# Altium PCB cyber60-1.PcbDoc (part 1 of 3)
Units mm, origin at the board's own origin, x right, y up, seen from the top; angles counter-clockwise.
Board outline 284.81 x 94.32 mm, 2 copper layers (Component Side, Bottom Layer), stack 1.571 mm thick; 172 components, 106 nets, 782 pads, 223 vias.
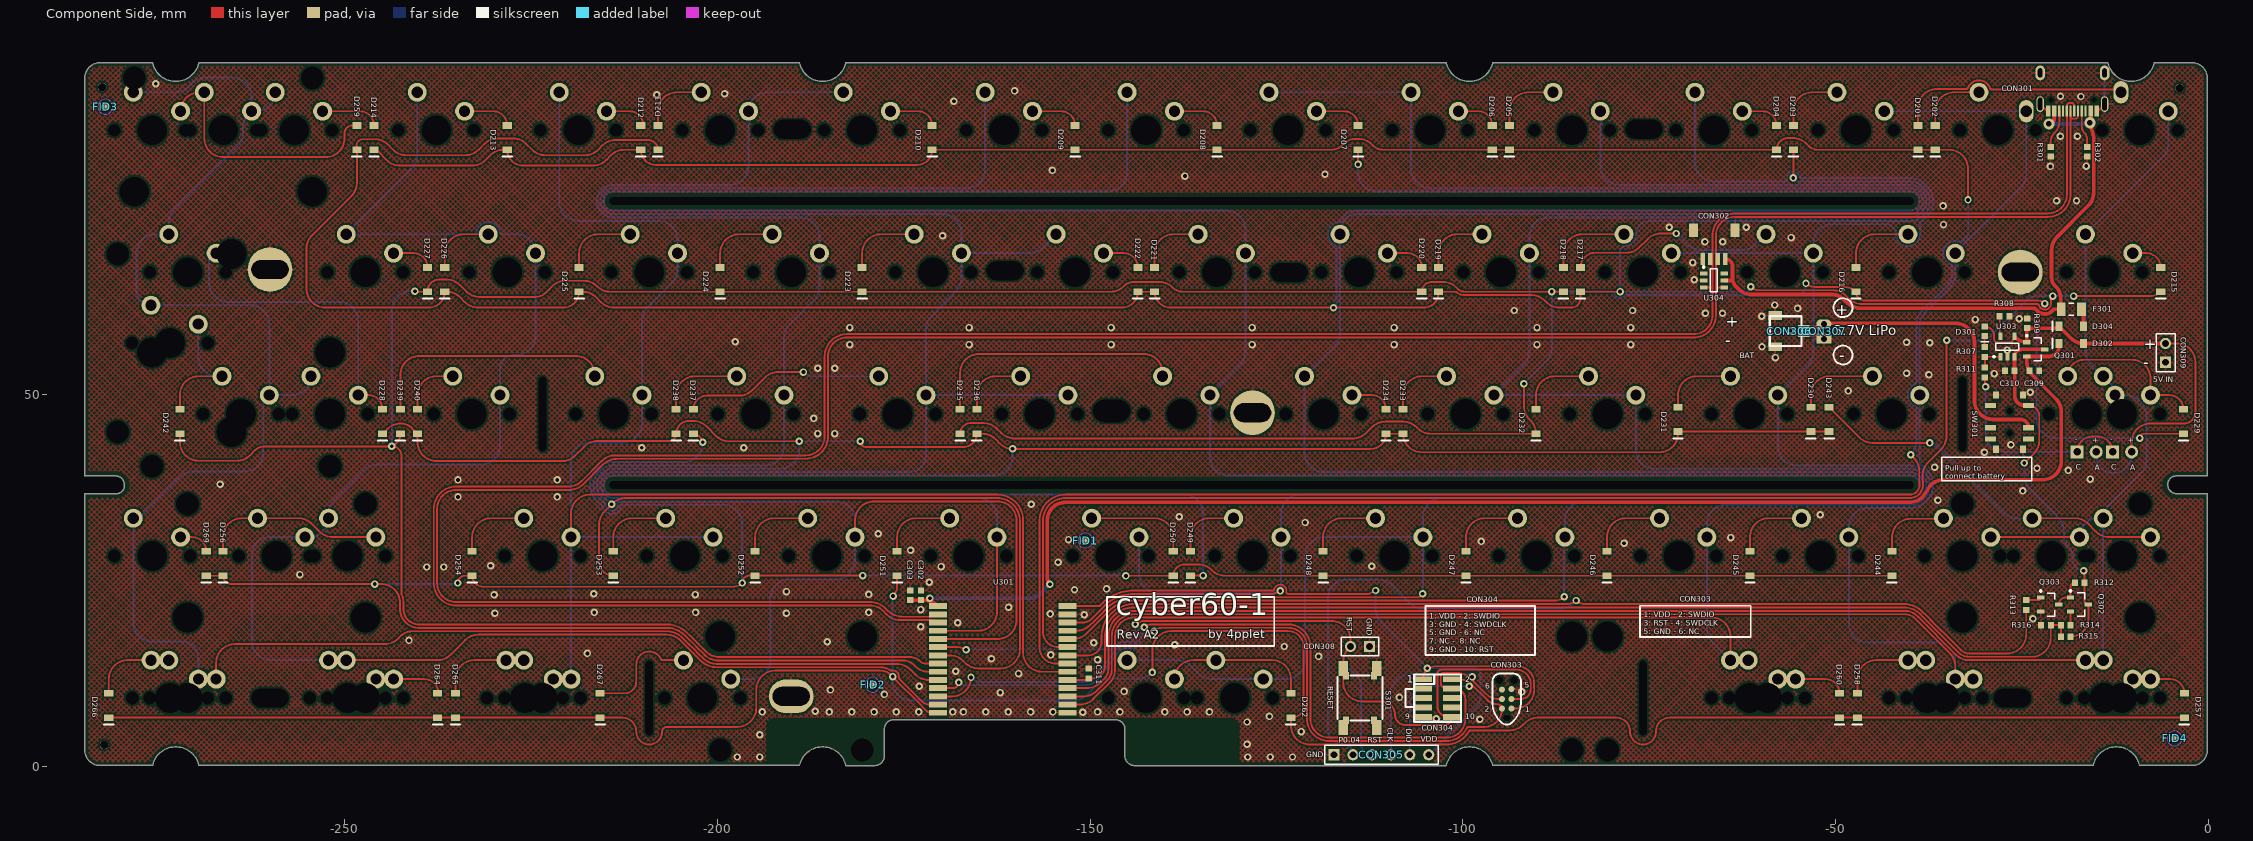
[diagram p0: Component Side view]
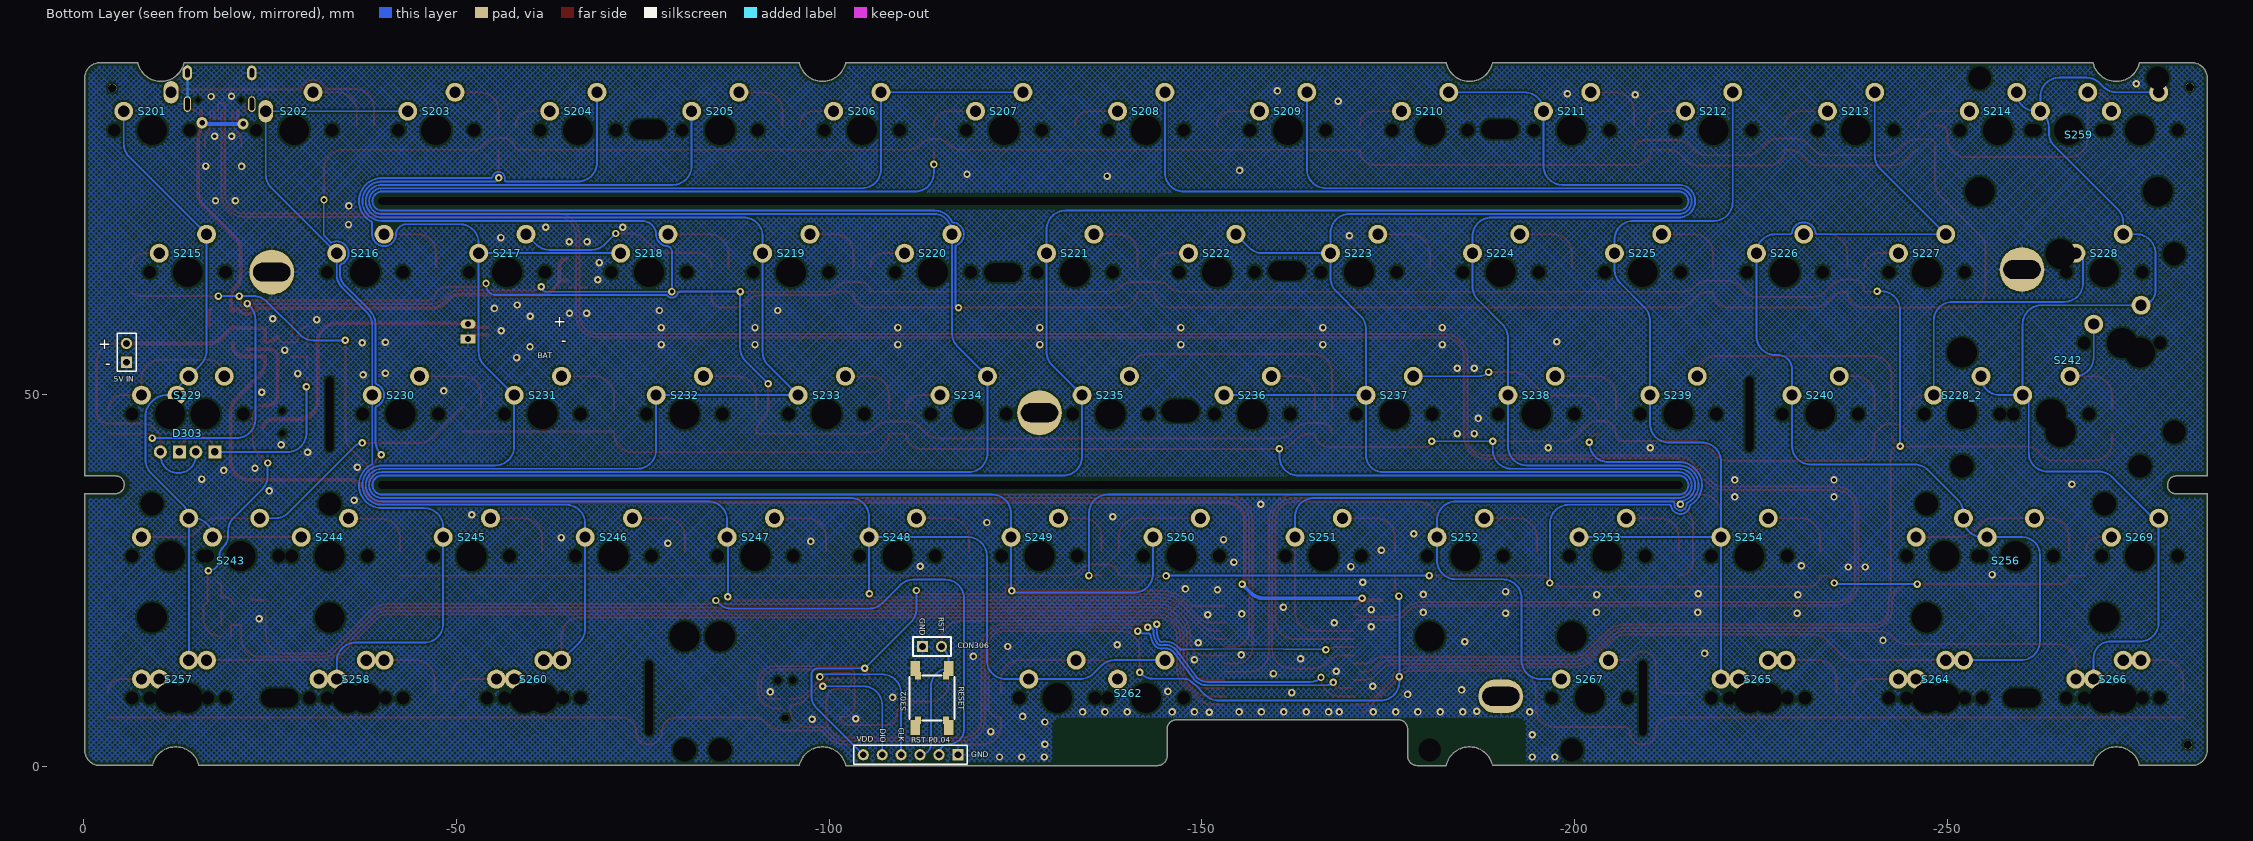
[diagram p1: Bottom Layer view, seen from below]

## Layer stack, top to bottom
Top Solder: solder mask 0.0102, Solder Resist, Dk 3.5
Component Side: signal copper 0.0356
Dielectric 1: core 1.5, FR-4, Dk 4.2
Bottom Layer: signal copper 0.0356
Solder Side: solder mask 0.0102, Solder Resist, Dk 3.5

## Board outline
-282.85,0.165 ccw(c-282.85,0.215) -282.85,0.165 cw(c-282.85,2.215) -284.9,2.215 -284.9,36.545 cw(c-284.861,36.576) -284.861,36.626 -280.67,36.626 ccw(c-280.67,37.719) -279.577,37.719 -279.577,37.795 ccw(c-280.797,37.795) -280.797,39.015 -284.85,39.015 cw(c-284.85,39.065) -284.9,39.065 -284.9,92.415 cw(c-282.85,92.415) -282.85,94.465 cw(c-282.85,94.415) -282.85,94.465 -275.85,94.465 cw(c-275.85,94.415) -275.801,94.426 cw(c-272.7,95.149) -275.801,94.426 ccw(c-272.7,95.149) -269.599,94.426 cw(c-269.55,94.415) -269.55,94.465 -189.05,94.465 cw(c-189.05,94.415) -189.001,94.426 ccw(c-185.9,95.149) -182.799,94.426 cw(c-182.75,94.415) -182.75,94.465 -102.25,94.465 cw(c-102.25,94.415) -102.201,94.426 cw(c-99.1,95.149) -102.201,94.426 ccw(c-99.1,95.149) -95.999,94.426 cw(c-95.95,94.415) -95.95,94.465 -13.477,94.465 cw(c-13.477,94.415) -13.428,94.426 cw(c-10.327,95.149) -13.428,94.426 ccw(c-10.327,95.149) -7.226,94.426 cw(c-7.177,94.415) -7.164,94.464 cw(c-7.15,94.415) -7.15,94.465 -2.15,94.465 cw(c-2.15,92.415) -0.1,92.415 -0.1,39.065 cw(c-0.15,39.065) -0.15,39.015 -4.242,39.015 ccw(c-4.242,37.846) -5.411,37.846 ccw(c-4.191,37.846) -4.191,36.626 -0.15,36.626 cw(c-0.15,36.576) -0.1,36.576 -0.1,2.215 cw(c-2.15,2.215) -2.15,0.165 -9.15,0.165 cw(c-9.15,0.215) -9.199,0.204 ccw(c-12.3,-0.52) -15.401,0.204 cw(c-15.45,0.215) -15.45,0.165 -95.95,0.165 cw(c-95.95,0.215) -95.999,0.204 cw(c-99.1,-0.52) -95.999,0.204 ccw(c-99.1,-0.52) -102.2,0.207 cw(c-102.265,0.215) -102.265,0.15 -144.03,0.15 cw(c-144.03,1.47) -145.35,1.47 -145.35,5.08 ccw(c-146.57,5.08) -146.57,6.3 -176.38,6.3 cw(c-176.38,6.35) -176.38,6.3 cw(c-176.38,5.08) -176.38,6.3 ccw(c-176.38,5.08) -177.6,5.08 -177.6,1.47 cw(c-178.92,1.47) -178.92,0.15 -182.735,0.15 cw(c-182.735,0.215) -182.8,0.207 ccw(c-185.9,-0.52) -189.001,0.204 cw(c-189.05,0.215) -189.05,0.165 -269.55,0.165 cw(c-269.55,0.215) -269.55,0.165 cw(c-269.55,0.215) -269.599,0.204 ccw(c-272.7,-0.52) -275.801,0.204 ccw(c-272.7,-0.52) -275.801,0.204 cw(c-275.85,0.215) -275.85,0.165

## Design rules (kind name [scope] priority, off if disabled: settings)
Clearance [All] p1: gap=0.2 ignorepadtopadclearanceinfootprint=FALSE except(0: Arc-Hole Track-Hole SMDPad-Hole THPad-Hole Via-Hole Fill-Hole Poly-Hole Region-Hole Text-Hole; 0.254: THPad-THPad THPad-Via THPad-Fill THPad-Poly THPad-Region THPad-Text Via-Via Via-Fill Via-Poly Via-Region Via-Text Fill-Fill Fill-Poly Fill-Region Fill-Text Poly-Poly Poly-Region Poly-Text Region-Region Region-Text Text-Text)
ComponentClearance [InComponent('No Component') And OnLayer('Component Side')] p1: gap=0.254 collisioncheckmode=3 verticalgap=0.254 showdistances=FALSE
DiffPairsRouting DiffPairsRouting_USB [InDifferentialPairClass('All Differential Pairs')] p1: maxlimit=0.254 minlimit=0.203 mostfreqgap=0.203 toplayer_minwidth=0.152 toplayer_maxwidth=0.381 toplayer_prefwidth=0.152 bottomlayer_minwidth=0.152 bottomlayer_maxwidth=0.381 bottomlayer_prefwidth=0.152 maxuncoupledlength=12.7
DiffPairsRouting [All] p2: maxlimit=0.254 minlimit=0.254 mostfreqgap=0.254 toplayer_minwidth=0.381 toplayer_maxwidth=0.381 toplayer_prefwidth=0.381 bottomlayer_minwidth=0.381 bottomlayer_maxwidth=0.381 bottomlayer_prefwidth=0.381 maxuncoupledlength=12.7
HoleSize [All] p1: absolutevalues=TRUE maxlimit=20 minlimit=0.3 maxpercent=80.000 minpercent=20.000
MatchedLengths MatchedLengths_USB_DiffPairs_1 [InxSignalClass('USB')] p1: tolerance=0.127 checknetsindiffpair=TRUE checkdiffpairvsdiffpair=FALSE checkxsignals=FALSE checkothers=FALSE
MatchedLengths MatchedLengths_USB_DiffPairs [All] p2: tolerance=0.127 checknetsindiffpair=TRUE checkdiffpairvsdiffpair=FALSE checkxsignals=FALSE checkothers=FALSE
PolygonConnect PolygonConnect_1 [All vs IsVia] p1: connectstyle=Direct reliefconductorwidth=0.254 reliefentries=4 polygonreliefangle="90 Angle" airgapwidth=0.254
PolygonConnect [All] p2: connectstyle=Relief reliefconductorwidth=0.254 reliefentries=4 polygonreliefangle="90 Angle" airgapwidth=0.254
RoutingVias [All] p1: holewidth=0.711 width=1.27 viastyle="Through Hole" minholewidth=0.711 minwidth=1.27 maxholewidth=0.711 maxwidth=1.27
SolderMaskExpansion [All] p1: expansion=0.102 istentingtop=FALSE
Width [All] p1: maxlimit=0.5 minlimit=0.254 preferedwidth=0.254
27 further rules are at their usual default settings.

## Classes and differential pairs
component class Designator: C302 C303 C309 C310 C311 CON301 CON302 CON303 CON304 CON305 CON306 CON307 CON308 CON309 D301 D302 D303 D304 F301 FID1 FID2 FID3 FID4 Q301 Q302 Q303 R301 R302 R307 R308 R309 R311 R312 R313 R314 R315 R316 S301 S302 SW301 U301 U303 U304
component class Designator: C201 C202 C203 C204 C205 C206 D201 D202 D203 D204 D205 D206 D207 D208 D209 D210 D211 D212 D213 D214 D215 D216 D217 D218 D219 D220 D221 D222 D223 D224 D225 D226 D227 D228 D229 D230 D231 D232 D233 D234 D235 D236 D237 D238 D239 D240 D242 D243 D244 D245 D246 D247 D248 D249 D250 D251 D252 D253 D254 D256 D257 D258 D259 D260 D262 D264 D265 D266 D267 D269 S201 S202 S203 S204 S205 S206 S207 S208 S209 S210 S211 S212 S213 S214 S215 S216 S217 S218 S219 S220 S221 S222 S223 S224 S225 S226 S227 S228 S228_2 S229 S230 S231 S232 S233 S234 S235 S236 S237 S238 S239 S240 S242 S243 S244 S245 S246 S247 S248 S249 S250 S251 S252 S253 S254 S256 S257 S258 S259 S260 S262 S264 S265 S266 S267 S269
differential pair D: +D_P -D_N

## Components (designator, comment, footprint, x,y, rotation, side; value= is the part's Value field where it differs from the comment)
C302 "" C0603[1608] -172.7,23 r270 top value=0.1uF
C303 "" C0603[1608] -174.15,23 r270 top value=4,7uF
C309 "" C0603[1608] -23.3,53.15 r180 top value=4,7uF
C310 "" C0603[1608] -26.6,53.15 r0 top value=4,7uF
C311 "DNM" C0603[1608] -150.2,12.5 r270 top
CON301 "TYPE-C-31-M-12" TYPE-C-31-M-12 -18.2,88 r180 top locked
CON302 "Header 5" "JST SM04B-SRSS-TB" -63.47,72 r180 top
CON303 "TC2030-IDC" TC2030-IDC-NL -94.107,9.073 r90 top
CON304 "Pin Header 2x5, 1.27mm" HDR_2X5-SMD-1.27MM-K -103.378,9.215 r270 top
CON305 "Header 6" HDR1X6 -117.27,1.6 r0 top
CON306 "JST PH" "JST SM02B-SRSS-TB" -54.225,58.45 r270 top
CON307 "Header" "JST S2B-PH-K(LF)(SN)" -51.55,58.4 r90 top
CON308 "Header 2" HDR1X2 -112.522,16.129 r180 top
CON309 "Header" HDR1X2 -5.7,54.26 r90 top
D201 "Diode" SOD-123 -38.9,84.415 r90 top
D202 "Diode" SOD-123 -36.6,84.415 r90 top
D203 "Diode" SOD-123 -55.65,84.415 r90 top
D204 "Diode" SOD-123 -57.9,84.415 r90 top
D205 "Diode" SOD-123 -93.75,84.415 r90 top
D206 "Diode" SOD-123 -96.05,84.415 r90 top
D207 "Diode" SOD-123 -114.046,84.415 r90 top
D208 "Diode" SOD-123 -132.969,84.415 r90 top
D209 "Diode" SOD-123 -152.019,84.415 r90 top
D210 "Diode" SOD-123 -171.196,84.415 r90 top
D211 "Diode" SOD-123 -208,84.415 r90 top
D212 "Diode" SOD-123 -210.3,84.415 r90 top
D213 "Diode" SOD-123 -228.219,84.415 r90 top
D214 "Diode" SOD-123 -246.1,84.415 r90 top
D215 "Diode" SOD-123 -6.35,65.365 r90 top
D216 "Diode" SOD-123 -47.244,65.365 r90 top
D217 "Diode" SOD-123 -84.2,65.365 r90 top
D218 "Diode" SOD-123 -86.5,65.365 r90 top
D219 "Diode" SOD-123 -103.25,65.365 r90 top
D220 "Diode" SOD-123 -105.5,65.365 r90 top
D221 "Diode" SOD-123 -141.35,65.365 r90 top
D222 "Diode" SOD-123 -143.6,65.365 r90 top
D223 "Diode" SOD-123 -180.594,65.365 r90 top
D224 "Diode" SOD-123 -199.644,65.365 r90 top
D225 "Diode" SOD-123 -218.567,65.365 r90 top
D226 "Diode" SOD-123 -236.6,65.365 r90 top
D227 "Diode" SOD-123 -238.9,65.365 r90 top
D228 "Diode" SOD-123 -244.95,46.315 r90 top
D229 "Diode" SOD-123 -3.302,46.315 r90 top
D230 "Diode" SOD-123 -53.3,46.6 r90 top
D231 "Diode" SOD-123 -71.12,46.6 r90 top
D232 "Diode" SOD-123 -90.17,46.315 r90 top
D233 "Diode" SOD-123 -108,46.315 r90 top
D234 "Diode" SOD-123 -110.3,46.315 r90 top
D235 "Diode" SOD-123 -167.45,46.315 r90 top
D236 "Diode" SOD-123 -165.2,46.315 r90 top
D237 "Diode" SOD-123 -203.25,46.315 r90 top
D238 "Diode" SOD-123 -205.55,46.315 r90 top
D239 "Diode" SOD-123 -242.55,46.315 r90 top
D240 "Diode" SOD-123 -240.25,46.315 r90 top
D242 "Diode" SOD-123 -272.15,46.315 r90 top
D243 "Diode" SOD-123 -50.85,46.6 r90 top
D244 "Diode" SOD-123 -42.418,27.265 r90 top
D245 "Diode" SOD-123 -61.468,27.265 r90 top
D246 "Diode" SOD-123 -80.645,27.265 r90 top
D247 "Diode" SOD-123 -99.568,27.265 r90 top
D248 "Diode" SOD-123 -118.745,27.265 r90 top
D249 "Diode" SOD-123 -136.55,27.265 r90 top
D250 "Diode" SOD-123 -138.85,27.265 r90 top
D251 "Diode" SOD-123 -175.895,27.265 r90 top
D252 "Diode" SOD-123 -194.945,27.265 r90 top
D253 "Diode" SOD-123 -213.995,27.265 r90 top
D254 "Diode" SOD-123 -232.918,27.265 r90 top
D256 "Diode" SOD-123 -266.35,27.265 r90 top
D257 "Diode" SOD-123 -3.175,8.215 r90 top
D258 "Diode" SOD-123 -47.05,8.215 r90 top
D259 "Diode" SOD-123 -248.4,84.415 r90 top
D260 "Diode" SOD-123 -49.45,8.215 r90 top
D262 "Diode" SOD-123 -123.063,8.215 r90 top
D264 "Diode" SOD-123 -237.55,8.215 r90 top
D265 "Diode" SOD-123 -235.15,8.215 r90 top
D266 "Diode" SOD-123 -281.686,8.215 r90 top
D267 "Diode" SOD-123 -215.75,8.215 r90 top
D269 "Diode" SOD-123 -268.6,27.265 r90 top
D301 "LED0" LED0603[1608] -29.972,58.42 r270 top
D302 "Diode" SOD-123 -18.35,56.8 r0 top
D303 "LED0" "MX-switch - CAPS - LED NO SWITCH" -16.294,47.315 r180 bottom
D304 "Diode" SOD-123 -18.35,59.1 r0 top
F301 "Fuse Thermal" C1206[3216] -18.35,61.4 r180 top
FID1 "Plug" Fiducial_Nordic -150.65,30.35 r90 top
FID2 "Plug" Fiducial_Nordic -179.2,11 r90 top
FID3 "Plug" Fiducial_Nordic -282.15,88.55 r90 top
FID4 "Plug" Fiducial_Nordic -4.5,3.8 r90 top
Q301 "PMOS-2" SOT-23-3 -23.114,56.007 r0 top
Q302 "PMOS-2" SOT-23-3 -17.258,21.76 r0 top
Q303 "MOSFET-N" SOT-23-3 -21.25,21.75 r0 top
R301 "Res1" R0603[1608] -21.12,82.5 r270 top value=5k1
R302 "Res1" R0603[1608] -16.23,82.5 r270 top value=5k1
R307 "Res1" R0603[1608] -29.972,55.641 r90 top value=470
R308 "Res1" R0603[1608] -27.305,60.452 r0 top value=5k1
R309 "Res1" R0603[1608] -24.25,59.5 r90 top value=100k
R311 "Res1" R0603[1608] -29.95,52.9 r270 top value=DNM
R312 "Res1" R0603[1608] -17.2,24.7 r180 top value=10K
R313 "Res1" R0603[1608] -24.4,21.7 r90 top value=10K
R314 "Res1" R0603[1608] -19.1,19 r180 top value=100k
R315 "Res1" R0603[1608] -19.1,17.45 r0 top value=DNM
R316 "Res1" R0603[1608] -21.75,19 r180 top value=100k
S201 "MX" "MX-switch - switched pol"#1 -9.15,85.415 r180 bottom locked
S202 "MX" "MX-switch - switched pol - connector" -28.2,85.415 r180 bottom locked
S203 "MX" "MX-switch - switched pol"#2 -47.25,85.415 r180 bottom locked
S204 "MX" MX-switch -66.3,85.415 r180 bottom locked
S205 "MX" "MX-switch - switched pol"#2 -85.35,85.415 r180 bottom locked
S206 "MX" MX-switch -104.4,85.415 r180 bottom locked
S207 "MX" MX-switch -123.45,85.415 r180 bottom locked
S208 "MX" MX-switch -142.5,85.415 r180 bottom locked
S209 "MX" MX-switch -161.55,85.415 r180 bottom locked
S210 "MX" MX-switch -180.6,85.415 r180 bottom locked
S211 "MX" "MX-switch - switched pol"#2 -199.65,85.415 r180 bottom locked
S212 "MX" MX-switch -218.7,85.415 r180 bottom locked
S213 "MX" MX-switch -237.75,85.415 r180 bottom locked
S214 "MX" MX-switch -256.8,85.415 r180 bottom locked
S215 "MX" "MX-switch - 1.5U" -13.912,66.365 r180 bottom locked
S216 "MX" "MX-switch - switched pol"#2 -37.725,66.365 r180 bottom locked
S217 "MX" "MX-switch - switched pol"#2 -56.775,66.365 r180 bottom locked
S218 "MX" "MX-switch - switched pol"#2 -75.825,66.365 r180 bottom locked
S219 "MX" "MX-switch - switched pol"#2 -94.875,66.365 r180 bottom locked
S220 "MX" MX-switch -113.925,66.365 r180 bottom locked
S221 "MX" "MX-switch - switched pol"#2 -132.975,66.365 r180 bottom locked
S222 "MX" MX-switch -152.025,66.365 r180 bottom locked
S223 "MX" "MX-switch - switched pol"#2 -171.075,66.365 r180 bottom locked
S224 "MX" "MX-switch - switched pol"#2 -190.125,66.365 r180 bottom locked
S225 "MX" "MX-switch - switched pol"#2 -209.175,66.365 r180 bottom locked
S226 "MX" "MX-switch - switched pol"#2 -228.225,66.365 r180 bottom locked
S227 "MX" MX-switch -247.275,66.365 r180 bottom locked
S228 "MX" "MX-switch - 1.5U" -271.087,66.365 r180 bottom
S228_2 "MX" MX-switch -252.012,47.315 r180 bottom
S229 "MX" "MX-switch - CAPS" -16.294,47.315 r180 bottom
S230 "MX" "MX-switch - switched pol"#2 -42.487,47.315 r180 bottom locked
S231 "MX" "MX-switch - switched pol"#2 -61.537,47.315 r180 bottom locked
S232 "MX" "MX-switch - switched pol"#2 -80.587,47.315 r180 bottom locked
S233 "MX" "MX-switch - switched pol"#2 -99.637,47.315 r180 bottom locked
S234 "MX" MX-switch -118.687,47.315 r180 bottom locked
S235 "MX" "MX-switch - switched pol"#2 -137.737,47.315 r180 bottom locked
S236 "MX" "MX-switch - switched pol"#2 -156.787,47.315 r180 bottom locked
S237 "MX" "MX-switch - switched pol"#2 -175.837,47.315 r180 bottom locked
S238 "MX" "MX-switch - switched pol"#2 -194.887,47.315 r180 bottom locked
S239 "MX" "MX-switch - switched pol"#2 -213.937,47.315 r180 bottom locked
S240 "MX" "MX-switch - switched pol"#2 -232.987,47.315 r180 bottom locked
S242 "MX" "MX-switch - Enter" -263.95,47.315 r180 bottom locked
S243 "MX" "MX-switch - Left shift" -21.056,28.265 r180 bottom locked
S244 "MX" "MX-switch - switched pol"#2 -32.96,28.265 r180 bottom
S245 "MX" "MX-switch - switched pol"#2 -52.012,28.265 r180 bottom locked
S246 "MX" "MX-switch - switched pol"#2 -71.062,28.265 r180 bottom locked
S247 "MX" "MX-switch - switched pol"#2 -90.112,28.265 r180 bottom locked
S248 "MX" "MX-switch - switched pol"#2 -109.162,28.265 r180 bottom locked
S249 "MX" "MX-switch - switched pol"#2 -128.212,28.265 r180 bottom locked
S250 "MX" "MX-switch - switched pol"#2 -147.262,28.265 r180 bottom locked
S251 "MX" "MX-switch - switched pol"#2 -166.312,28.265 r180 bottom locked
S252 "MX" "MX-switch - switched pol"#2 -185.362,28.265 r180 bottom locked
S253 "MX" "MX-switch - switched pol"#2 -204.412,28.265 r180 bottom locked
S254 "MX" "MX-switch - switched pol"#2 -223.462,28.265 r180 bottom locked
S256 "MX" "MX-switch - right shift" -259.18,28.265 r180 bottom locked
S257 "MX" "MX-switch - 1.5u MOD-L" -13.912,9.215 r180 bottom locked
S258 "MX" "MX-switch - 1u MOD-L" -37.724,9.215 r180 bottom locked
S259 "MX" "MX-switch - backspace" -266.325,85.415 r180 bottom locked
S260 "MX" "MX-switch - 1.5u MOD-L" -61.537,9.215 r180 bottom locked
S262 "MX" "MX-SWITCH - SPACE_V2" -142.499,9.215 r180 bottom locked
S264 "MX" "MX-switch - 1u MOD-R" -247.269,9.215 r180 bottom
S265 "MX" "MX-switch - 1.5u MOD-R" -223.462,9.215 r180 bottom locked
S266 "MX" "MX-switch - 1.5u MOD-R" -271.087,9.215 r180 bottom locked
S267 "MX" "MX-switch - switched pol"#2 -202.031,9.215 r180 bottom
S269 "MX" MX-switch -275.85,28.265 r180 bottom locked
S301 "SW-PB" "COMBO SWITCH" -113.792,9.215 r270 top
S302 "SW-PB" "Combo switch" -113.792,9.215 r270 bottom
SW301 "" "AlpsAlpine SSSS820201" -26.626,46.228 r270 top
U301 "Minew MS88SF2" "MINEW MS88SF2" -153.034,7.243 r180 top locked
U303 "MCP73831" SOT-23-5 -26.924,56.388 r90 top
U304 "SRV05" SOT-23-6 -66.3,65.25 r0 top

## Footprints (in the part's own frame and the unit in brackets; to place one, negate y for a bottom-side part, rotate by r counter-clockwise, add the part's x,y. Pads: shape width x height; smd on the part's side, far side on the other; paste and mask are expansions set on the pad)
"AlpsAlpine SSSS820201" [mm]
  rect 0.7x1.5 smd: 1(2.25,-2.55) 2(0.75,-2.55) 3(-2.25,-2.55) 4(2.25,2.55) 5(0.75,2.55) 6(-2.25,2.55)
  rect 1x0.8 smd: 7(-3.65,-1.8) 7(-3.65,1.8) 7(3.65,-1.8) 7(3.65,1.8)
  round 0 hole 0.9 unplated: ""(-1.5,0) ""(1.5,0)
  body extent -3.85,-2.95 3.85,2.95, height 2.9
C0603[1608] [mm] "Chip Resistor, 2-Leads, Body 1,57x0,80mm, IPC Medium Density"
  rect 0.8x0.85 smd: 1(-0.65,0) 2(0.65,0)
  body extent -0.83,-0.43 0.82,0.43, height 0.5
C1206[3216] [mm]
  rect 1.2x1.8 smd: 1(-1.35,0) 2(1.35,0)
  silkscreen extent -0.35,-0.8 0.35,0.8, body extent -1.6,-0.9 1.6,0.9, height 1.2
"COMBO SWITCH" [mm] "Wurth Electronics Inc."
  rect 2x1.3 smd: 1(-3.975,2.25) 2(-3.975,-2.25) ""(3.975,2.25) ""(3.975,-2.25)
  rect 1x0.75 smd: 1(-3,1.875) 2(-3,-1.875) ""(3,1.875) ""(3,-1.875)
  round 1 on Mech15: ""(0,0)
  silkscreen extent -3,-3 3,3, body extent -3.25,-2.55 3.25,2.55, height 2
"Combo switch" [mm] "Wurth Electronics Inc."
  rect 2x1.3 smd: 1(-3.975,2.25) 2(-3.975,-2.25) ""(3.975,-2.25) ""(3.975,2.25)
  rect 1x0.75 smd: 1(-3,1.875) 2(-3,-1.875) ""(3,-1.875) ""(3,1.875)
  round 1 on Mech16: ""(0,0)
  silkscreen extent -3,-3 3,3, body extent -3.25,-2.55 3.25,2.55, height 2
Fiducial_Nordic [mm]
  round 1 smd paste+0 mask+0.5: 0(0,0)
  Component Side keep-out circle w0.01: c0,0 r1
HDR1X2 [mm] "Connector; Header; 2 Position"
  rect 1.5x1.5 hole 0.9: 1(0,0)
  round 1.5 hole 0.9: 2(2.54,0)
  silkscreen extent -1.27,-1.27 3.81,1.27
HDR1X6 [mm] "Connector; Header; 6 Position"
  rect 1.5x1.5 hole 0.9: 1(0,0)
  round 1.5 hole 0.9: 2(2.54,0) 3(5.08,0) 4(7.62,0) 5(10.16,0) 6(12.7,0)
  silkscreen extent -1.27,-1.27 13.97,1.27
HDR_2X5-SMD-1.27MM-K [mm]
  rect 0.76x2.4 smd: 1(-2.54,-1.95) 2(-2.54,1.95) 3(-1.27,-1.95) 4(-1.27,1.95) 5(0,-1.95) 6(0,1.95) 7(1.27,-1.95) 8(1.27,1.95) 9(2.54,-1.95) 10(2.54,1.95)
  silkscreen extent -3.18,-3.15 3.18,3.15, body extent -3.14,-2.92 3.14,2.92, height 6.11
"JST S2B-PH-K(LF)(SN)" [mm]
  oval 1.25x2 hole 0.8: 1(1,0)
  rect 1.25x2 hole 0.8: 2(-1,0)
  body extent -2.95,-1.35 2.95,6.25, height 4.8
"JST SM02B-SRSS-TB" [mm]
  rect 0.6x1.55 smd: 1(-0.5,0) 2(0.5,0)
  rect 1.2x1.8 smd: 3(-2.1,-3.875) 3(2.1,-3.875)
  silkscreen extent -2,-4.57 2,-0.33, body extent -1.99,-4.58 1.99,0.41, height 3
"JST SM04B-SRSS-TB" [mm]
  rect 0.6x1.55 smd: 1(1.3,3.875) 2(2.3,3.875) 3(3.3,3.875) 4(4.3,3.875)
  rect 1.2x1.8 smd: 5(0,0) 5(5.6,0)
  body extent -0.21,-0.76 5.79,4.19, height 3.25
LED0603[1608] [mm] "Chip Resistor, 2-Leads, Body 1,57x0,80mm, IPC Medium Density"
  rect 0.8x0.85 smd: 1(-0.65,0) 2(0.65,0)
  silkscreen extent 1.37,-0.51 1.37,0.53, body extent -0.77,-0.4 0.83,0.4, height 0.8
"MINEW MS88SF2" [mm]
  rect 2.4x0.8 smd: 1(0,0) 2(0,-1.1) 3(0,-2.2) 4(0,-3.3) 5(0,-4.4) 6(0,-5.5) 7(0,-6.6) 8(0,-7.7) 9(0,-8.8) 10(0,-9.9) 11(0,-11) 12(0,-12.1) 13(0,-13.2) 14(0,-14.3) 15(17.4,-14.3) 16(17.4,-13.2) 17(17.4,-12.1) 18(17.4,-11) 19(17.4,-9.9) 20(17.4,-8.8) 21(17.4,-7.7) 22(17.4,-6.6) 23(17.4,-5.5) 24(17.4,-4.4) 25(17.4,-3.3) 26(17.4,-2.2) 27(17.4,-1.1) 28(17.4,0)
  body extent 0.06,-15.62 17.46,7.37, height 2.65
MX-switch [mm]
  round 2.54 hole 1.499 mask+0.102: 1(-3.81,2.54) 2(2.54,5.08)
  round 1 hole 1.702 unplated: ""(-5.08,0) ""(5.08,0)
  round 1 hole 3.988 unplated: ""(0,0)
"MX-switch - 1.5U" [mm]
  round 2.54 hole 1.499 mask+0.102: 1(-3.81,2.54) 2(2.54,5.08)
  round 1 hole 1.702 unplated: ""(-5.08,0) ""(5.08,0)
  round 1 hole 3.988 unplated: ""(0,0)
  round 1 on Mech14: ""(0,0)
"MX-switch - 1.5u MOD-L" [mm]
  round 2.54 hole 1.499 mask+0.102: 1(-6.191,2.54) 1(-3.81,2.54) 2(0.159,5.08) 2(2.54,5.08)
  round 1 hole 1.702 unplated: ""(-7.461,0) ""(-5.08,0) ""(2.699,0) ""(5.08,0)
  round 1 on Mech14: ""(-4.763,0) ""(-2.381,0) ""(0,0) ""(4.763,0)
  round 1 hole 3.988 unplated: ""(-2.381,0) ""(0,0)
"MX-switch - 1.5u MOD-R" [mm]
  round 2.54 hole 1.499 mask+0.102: 1(-3.81,2.54) 1(-1.429,2.54) 2(2.54,5.08) 2(4.921,5.08)
  round 1 hole 1.702 unplated: ""(-5.08,0) ""(-2.699,0) ""(5.08,0) ""(7.461,0)
  round 1 on Mech14: ""(-2.381,0) ""(0,0) ""(2.381,0) ""(4.763,0)
  round 1 hole 3.988 unplated: ""(0,0) ""(2.381,0)
"MX-switch - 1u MOD-L" [mm]
  round 2.54 hole 1.499 mask+0.102: 1(-6.191,2.54) 1(-3.81,2.54) 2(0.159,5.08) 2(2.54,5.08)
  round 1 hole 1.702 unplated: ""(-7.461,0) ""(-5.08,0) ""(2.699,0) ""(5.08,0)
  round 1 hole 3.988 unplated: ""(-2.381,0) ""(0,0)
  round 1 on Mech14: ""(-2.381,0) ""(0,0) ""(2.381,0)
"MX-switch - 1u MOD-R" [mm]
  round 2.54 hole 1.499 mask+0.102: 1(-3.81,2.54) 1(-1.429,2.54) 2(2.54,5.08) 2(4.921,5.08)
  round 1 hole 1.702 unplated: ""(-5.08,0) ""(-2.699,0) ""(5.08,0) ""(7.461,0)
  round 1 on Mech14: ""(-4.763,0) ""(-2.381,0) ""(0,0) ""(2.381,0)
  round 1 hole 3.988 unplated: ""(0,0) ""(2.381,0)
"MX-switch - backspace" [mil]
  round 100 hole 59 mask+4: 1(100,200) 1(225,100) 2(-150,100) 2(475,200)
  round 60 hole 157.01 unplated: ""(-470,-325) ""(470,-325)
  round 60 hole 120 unplated: ""(-470,275) ""(470,275)
  round 39.37 hole 67.01 unplated: ""(-200,0) ""(175,0) ""(200,0) ""(575,0)
  round 39.37 hole 157.01 unplated: ""(0,0) ""(375,0)
  round 39.37 on Mech14: ""(0,0) ""(375,0)
"MX-switch - CAPS" [mm]
  round 2.54 hole 1.499 mask+0.102: 1(-8.572,2.54) 1(2.54,5.08) 2(-3.81,2.54) 2(-2.222,5.08)
  round 1 hole 1.702 unplated: ""(-9.842,0) ""(5.08,0)
  round 1 hole 3.988 unplated: ""(-4.763,0) ""(0,0)
  round 1 on Mech14: ""(-4.763,0) ""(0,0)
"MX-switch - CAPS - LED NO SWITCH" [mm]
  round 1.75 hole 1 mask+0.102: 1(-6.033,-5.08) 1(-1.27,-5.08)
  rect 1.75x1.75 hole 1 mask+0.102: 2(-3.493,-5.08) 2(1.27,-5.08)
  round 1 on Mech14: ""(0,0)
"MX-switch - Enter" [mm]
  round 2.54 hole 1.499 mask+0.102: 1(2.54,5.08) 1(5.72,12.07) 2(-3.81,2.54) 2(12.07,14.61)
  round 1.524 hole 3.048 unplated: ""(-11.938,-6.985) ""(11.938,-6.985) ""(16.515,-2.408) ""(16.515,21.468)
  round 1.524 hole 3.988 unplated: ""(-11.938,8.255) ""(1.275,-2.408) ""(1.275,21.468) ""(11.938,8.255)
  round 1 hole 1.702 unplated: ""(-5.08,0) ""(4.45,9.53) ""(5.08,0) ""(14.61,9.53)
  round 1 hole 3.988 unplated: ""(0,0) ""(9.53,9.53)
  round 1 on Mech14: ""(0,0) ""(9.53,9.53)
"MX-switch - Left shift" [mil]
  round 100 hole 59 mask+4: 1(-525,100) 1(100,200) 2(-275,200) 2(-150,100)
  round 39.37 hole 67.01 unplated: ""(-575,0) ""(-200,0) ""(-175,0) ""(200,0)
  round 60 hole 157.01 unplated: ""(-470,-325) ""(470,-325)
  round 60 hole 120 unplated: ""(-470,275) ""(470,275)
  round 39.37 hole 157.01 unplated: ""(-375,0) ""(0,0)
  round 39.37 on Mech14: ""(-375,0) ""(0,0)
"MX-switch - right shift" [mil]
  round 100 hole 59 mask+4: 1(-525,100) 1(100,200) 2(-275,200) 2(-150,100)
  round 39.37 hole 67.01 unplated: ""(-575,0) ""(-200,0) ""(-175,0) ""(200,0)
  round 60 hole 157.01 unplated: ""(-470,-325) ""(470,-325)
  round 60 hole 120 unplated: ""(-470,275) ""(470,275)
  round 39.37 hole 157.01 unplated: ""(-375,0) ""(0,0)
  round 39.37 on Mech14: ""(-375,0) ""(0,0)
"MX-SWITCH - SPACE_V2" [mil]
  round 100 hole 59 mask+4: 1(-368.75,200) 1(-150,100) 2(-618.75,100) 2(100,200)
  round 60 hole 120 unplated: ""(-2437.4,-275) ""(-2250,-275) ""(1499.61,-275) ""(2250,-275)
  round 60 hole 157.01 unplated: ""(-2437.4,325) ""(-2250,325) ""(1499.61,325) ""(2250,325)
  round 39.37 hole 67.01 unplated: ""(-668.75,0) ""(-268.75,0) ""(-200,0) ""(200,0)
  round 39.37 hole 157.01 unplated: ""(-468.75,0) ""(0,0)
  round 39.37 on Mech14: ""(-468.75,0) ""(0,0)
"MX-switch - switched pol"#1 [mm]
  oval 2x3 hole 1.499 mask+0.102: 1(2.54,5.08)
  round 2.54 hole 1.499 mask+0.102: 2(-3.81,2.54)
  round 1 hole 1.702 unplated: ""(-5.08,0) ""(5.08,0)
  round 1 hole 3.988 unplated: ""(0,0)
"MX-switch - switched pol"#2 [mm]
  round 2.54 hole 1.499 mask+0.102: 1(2.54,5.08) 2(-3.81,2.54)
  round 1 hole 1.702 unplated: ""(-5.08,0) ""(5.08,0)
  round 1 hole 3.988 unplated: ""(0,0)
"MX-switch - switched pol - connector" [mm]
  round 2.54 hole 1.499 mask+0.102: 1(2.54,5.08)
  oval 2x3 hole 1.499 mask+0.102: 2(-3.81,2.54)
  round 1 hole 1.702 unplated: ""(-5.08,0) ""(5.08,0)
  round 1 hole 3.988 unplated: ""(0,0)
R0603[1608] [mm] "Chip Resistor, 2-Leads, Body 1,57x0,80mm, IPC Medium Density"
  rect 0.8x0.85 smd: 1(-0.65,0) 2(0.65,0)
  body extent -0.83,-0.43 0.82,0.43, height 0.5
SOD-123 [mm]
  rect 0.91x1.22 smd: 1(1.635,0) 2(-1.635,0)
  silkscreen extent -2.54,-0.64 -2.54,0.63, body extent -1.87,-0.85 1.88,0.85, height 1.2
SOT-23-3 [mm] "3.3v regulator, used in Windsond S2 proto 1"
  rect 1x0.55 smd: 1(-1.2,0.95) 2(-1.2,-0.95) 3(1.2,0)
  silkscreen extent -1.32,-1.55 0.7,1.95, body extent -1.45,-1.5 1.1,1.5, height 1
SOT-23-5 [mm]
  rect 1x0.55 smd: 1(-1.375,0.95) 2(-1.375,0) 3(-1.375,-0.95) 4(1.375,-0.95) 5(1.375,0.95)
  silkscreen extent -1.5,-1.55 0.46,1.92, body extent -1.63,-1.5 1.58,1.5, height 0.92
SOT-23-6 [mm]
  rect 1x0.55 smd: 1(-1.375,0.95) 2(-1.375,0) 3(-1.375,-0.95) 4(1.375,-0.95) 5(1.375,0) 6(1.375,0.95)
  silkscreen extent -1.5,-1.55 0.46,1.92, body extent -1.37,-1.44 1.47,1.49, height 1.05
TC2030-IDC-NL [mm] "Tag-Connect 6-Pin with No Legs (PN# TC2030-IDC-NL)"
  round 0.9 hole 0.995 unplated: 0(-2.54,0) 0(2.54,-1.016) 0(2.54,1.016)
  round 0.79 smd paste-0.39: 1(-1.27,-0.635) 2(-1.27,0.635) 3(0,-0.635) 4(0,0.635) 5(1.35,-0.635) 6(1.27,0.635)
  silkscreen extent -3.43,-1.91 3.43,1.9
TYPE-C-31-M-12 [mm]
  rect 0.6x1.45 smd: A1B12(-3.25,0) A4B9(-2.45,0) B1A12(3.25,0) B4A9(2.45,0)
  rect 0.3x1.45 smd: A5(-1.25,0) A6(-0.25,0) A7(0.25,0) A8(1.25,0) B5(1.75,0) B6(0.75,0) B7(-0.75,0) B8(-1.75,0)
  oval 1x2.1 hole 0.6 slot 1.7 at 90 deg: S1(-4.32,-0.915) S1(4.32,-0.915)
  oval 1.3x2 hole 0.6 slot 1.2 at 90 deg: S1(-4.32,-5.095) S1(4.32,-5.095)
  round 0 hole 0.65 unplated: ""(-2.89,-1.445) ""(2.89,-1.445)
  body extent -4.47,-7.72 4.47,0.18, height 3.21

## Part data
C302: library part Cap, "Capacitor", LCSC MFG=YAGEO, LCSC Part #=C14663, MFG=KEMET, MFGPN=C0603C104M5RACTU, MRF.Part=CC0603KRX7R9BB104, Version="0603 imperial"
C303 C309 C310: library part Cap, "Capacitor", LCSC MFG="Samsung Electro-Mechanics", LCSC Part #=C19666, MRF.Part=CL10A475KO8NNNC
C311: library part Cap, "Capacitor", Version="0603 imperial"
CON302: "Header, 5-Pin", LCSC MFG="JST Sales America", MFG="JST Sales America Inc.", MFGPN=SM04B-SRSS-TB(LF)(SN), MRF.Part=SM04B-SRSS-TB(LF)(SN)
CON303: library part "Header 3X2", "Header, 3-Pin, Dual row"
CON304: library part "Pin Header 2x5 SMD, 1.27mm, KS", "Pin Header 2x5, 1.27mm (50mil), SMD, Keying Shroud", MFG="Samtec Inc.", MFGPN=FTSH-105-01-F-DV-K-TR
CON305: "Header, 6-Pin", LatestRevisionDate=17-Jul-2002, LatestRevisionNote="Re-released for DXP Platform.", Publisher="Altium Limited"
CON306: library part "JST S2B-PH-SM4-TB", LCSC MFG="JST Sales America", LCSC Part #=C160402, MRF.Part=SM02B-SRSS-TB(LF)(SN)
CON307: library part "Header 2", "Header, 2-Pin", LCSC MFG="JST Sales America", LCSC Part #=C265016, MRF.Part=S2B-PH-K(LF)(SN)
CON308: "Header, 2-Pin"
CON309: library part "Header 2", "Header, 2-Pin"
D201 D202 D203 D204 D205 D206 D207 D208 D209 D210 D211 D212 D213 D214 D215 D216 D217 D218 D219 D220 D221 D222 D223 D224 D225 D226 D227 D228 D229 D230 D231 D232 D233 D234 D235 D236 D237 D238 D239 D240 D242 D243 D244 D245 D246 D247 D248 D249 D250 D251 D252 D253 D254 D256 D257 D258 D259 D260 D262 D264 D265 D266 D267 D269: "Default Diode", LCSC MFG=ST(Semtech), LCSC Part #=C81598, MRF.Part=1N4148W, Version=SOD-123
D301: "Typical INFRARED GaAs LED", LCSC MFG="Everlight Elec", LCSC Part #=C72038, MRF.Part=19-213/Y2C-CQ2R2L/3T(CY)
D302 D304: "Default Diode", LCSC MFG="Changjiang Electronics Tech (CJ)", LCSC Part #=C8598, MRF.Part=B5819W, Version=SOD-123
D303: "Typical INFRARED GaAs LED", MFG=Kingbright, MFGPN=AM2520SECK09
F301: "Thermal Fuse", LCSC MFG="Shenzhen JDT Fuse", LCSC Part #=C135338, MFG="Bel Fuse Inc.", MFGPN=0ZCJ0050FF2G, MRF.Part=ASMD1206-050
Q301 Q302: "P-Channel Power MOSFET", LCSC MFG="Vishay Intertech", LCSC Part #=C10487, MRF.Part=SI2301CDS-T1-GE3, Note="Pin 4 not drawn and electrically connected to Pin 2."
Q303: "N-Channel MOSFET", LCSC MFG="Changjiang Electronics Tech (CJ)", LCSC Part #=C8545, MRF.Part=2N7002
R301 R302 R308: "Resistor", LCSC MFG="Uniroyal Elec", LCSC Part #=C23186, MFG="Panasonic Electronic Components", MFGPN=ERJ-3EKF5101V, MRF.Part=0603WAF5101T5E, Version="0603 imperial"
R307: "Resistor", LCSC MFG="UNI-ROYAL(Uniroyal Elec)", LCSC Part #=C23179, MFG="Panasonic Electronic Components", MFGPN=ERJ-3EKF5101V, MRF.Part=0603WAF4700T5E, Version="0603 imperial"
R309 R314 R316: "Resistor", LCSC MFG="Uniroyal Elec", LCSC Part #=C25803, MRF.Part=0603WAF1003T5E, Version="0603 imperial"
R311 R315: "Resistor"
  R315: MFG="TE Connectivity Passive Product", MFGPN=CRGCQ0603F150R, Version="0603 imperial"
R312 R313: "Resistor", LCSC MFG="Uniroyal Elec", LCSC Part #=C25804, MFG="Panasonic Electronic Components", MFGPN=ERJ-3EKF5101V, MRF.Part=0603WAF1002T5E, Version="0603 imperial"
S201 S202 S203 S204 S205 S206 S207 S208 S209 S210 S211 S212 S213 S214 S216 S217 S218 S219 S220 S221 S222 S223 S224 S225 S226 S227 S228 S228_2 S229 S230 S231 S232 S233 S234 S235 S236 S237 S238 S239 S240 S242 S243 S244 S245 S246 S247 S248 S249 S250 S251 S252 S253 S254 S256 S257 S258 S259 S260 S262 S264 S265 S266 S267 S269: library part SW-PB, "Switch"
S215: library part SW-PB, "TAB"
S301 S302: "Switch", LCSC MFG="XKB Enterprise", LCSC Part #=C318888, MFG=C&K, MFGPN="PTS645SM43SMTR92 LFS", MRF.Part=TS-1187A-C-D-B
SW301: "Slide Switch DPDT", LCSC MFG="ALPS Electric", LCSC Part #=C160879, MRF.Part=SSSS820201
U303: LCSC MFG="Nanjing Extension Microelectronics", LCSC Part #=C32574, MRF.Part=TP4054
U304: LCSC MFG="ProTek Devices", LCSC Part #=C85364, MRF.Part=SRV05-4-P-T7
CON301: MFG="Korean Hroparts Elec", MFGPN=TYPE-C-31-M-12
U301: MFG=Minew, MFGPN=MS88SF2

## Free pads (board coordinates)
  round 1.152 hole 1.152 unplated paste+0.148 mask+0.148: ""(-282.569,91.186) ""(-282.315,2.921) ""(-3.81,91.059)
  round 0 hole 2.5 slot 5 at 0 deg unplated: ""(-260.05,9.215) ""(-189.992,85.542) ""(-161.423,66.548) ""(-123.323,66.294) ""(-75.692,85.542) ""(-26.25,9.215)
  round 6 hole 2.5 slot 5 at 0 deg: ""(-260.05,66.715) ""(-128.212,47.5) ""(-25.2,66.365)
  round 0 hole 1 slot 10 at 90 deg unplated: ""(-223.462,47.315) ""(-209.169,9.215) ""(-75.819,9.215) ""(-32.962,47.315)
  oval 6x4.5 hole 2.5 slot 5 at 0 deg: ""(-190.119,9.45)
  round 0 hole 3 slot 5 at 0 deg unplated: ""(-147.123,47.742)
  round 0 hole 1 slot 175 at 0 deg unplated: ""(-127,37.79) ""(-127,75.89)

## Via types
v1: diameter 1, hole 0.5, Component Side to Bottom Layer, tented both sides, 221 vias
v2: diameter 1.5, hole 0.75, Component Side to Bottom Layer, tented both sides, 2 vias

## Nets (pads, with @x,y where several pads share a name; then routed paths per layer and width w, separated by ;. In a path a pad name is that pad's centre, name@x,y a point inside that pad or via, vN(x,y) a via of type N, cw(c..) or ccw(c..) an arc to the next point about the centre after c; other vN are vias at no path point)
CHG_STAT: R307.1 R311.1 U303.1 | length 3.6
  Component Side w0.254: R311.1@-29.95,53.55 -29.95,54.969 ccw(c-29.972,54.969) R307.1@-29.972,54.991 cw(c-29.95,54.991) -29.95,55.013 U303.1@-27.874,55.013
col1: S201.2 S215.2 S229.2 S243.2 S244.2 S257.2 U301.4 | length 248.7
  Component Side w0.254: U301.4@-153.034,10.543 -150.443,10.543 ccw(c-150.443,13.083) -148.647,11.287 -148.036,11.898 ccw(c-149.19,13.052) -147.558,13.052 -147.558,17.469 cw(c-144.11,17.469) -147.242,18.911 cw(c-144.11,17.469) -146.735,19.705 cw(c-144.11,17.469) -146.286,20.144 ; -146.734,19.706 cw(c-144.11,17.469) -144.144,20.917 -144.13,20.917 cw(c-144.125,20.463) -144.125,20.917 -40.765,20.917 cw(c-40.765,18.377) -38.969,20.173 -33.835,15.039 ccw(c-32.039,16.835) -32.039,14.295 S257.2@-16.452,14.295 ; S244.2@-29.15,30.805 S243.2@-17.246,30.805
  Bottom Layer w0.254: S243.2@-17.246,30.805 cw(c-14.706,30.805) -14.706,33.345 S243.2@-14.071,33.345 ; S257.2@-14.071,14.295 S243.2@-14.071,33.345 ; S201.2@-5.34,87.955 -5.34,83.61 cw(c-7.88,83.61) -6.084,81.814 S215.2@-16.452,71.445 -16.452,55.828 ccw(c-13.912,55.828) -15.709,54.032 S229.2@-14.071,52.395 -13.157,51.481 cw(c-14.783,49.855) S229.2@-12.484,49.855 -11.032,49.855 cw(c-11.032,47.315) -9.236,49.111 -8.999,48.874 cw(c-10.795,47.078) -8.255,47.078 -8.255,41.184 cw(c-10.795,41.184) -8.999,39.388 -13.385,35.002 ccw(c-11.728,33.345) S243.2@-14.071,33.345
col2: S202.2 S203.2 S216.2 S230.2 S245.2 S258.1 U301.3 | length 254.6
  Component Side w0.254: U301.3@-153.034,9.443 -150.901,9.443 ccw(c-150.901,11.983) -149.105,10.187 -147.715,11.577 ccw(c-149.19,13.052) -147.104,13.052 -147.104,17.469 cw(c-144.11,17.469) -144.139,20.463 -144.125,20.463 -40.765,20.463 cw(c-40.765,18.377) -39.289,19.851 -38.619,19.181 -35.394,15.956 -34.658,15.22 cw(c-36.454,13.424) -33.914,13.424 S258.1@-33.914,11.755
  Bottom Layer w0.254: S203.2@-43.44,87.955 S202.2@-24.39,87.955 -24.39,79.482 cw(c-26.93,79.482) -25.134,77.686 S216.2@-33.915,68.905 -33.915,66.07 cw(c-36.455,66.07) -34.659,64.274 -37.934,60.999 ccw(c-36.137,59.203) -38.677,59.203 S230.2@-38.677,49.855 -38.677,40.59 cw(c-40,37.79) -40,34.693 -45.662,34.693 ccw(c-45.662,32.153) -48.202,32.153 S245.2@-48.202,30.805 -48.202,19.19 ccw(c-45.662,19.19) -45.662,16.65 -36.454,16.65 cw(c-36.454,14.11) -33.914,14.11 S258.1@-33.914,11.755
col3: S204.2 S217.2 S218.2 S231.2 S246.2 S260.2 U301.2 | length 296.2
  Component Side w0.254: U301.2@-152.85,8.343 -151.359,8.343 ccw(c-151.359,10.883) -149.563,9.087 -147.394,11.256 ccw(c-149.19,13.052) -146.65,13.052 -146.65,17.469 cw(c-144.11,17.469) -144.11,20.009 -66.617,20.009 cw(c-66.617,17.469) -64.077,17.469 S260.2@-64.077,14.295 ; S231.2@-58.42,49.163 S231.2@-57.727,49.855
  Bottom Layer w0.254: S218.2@-72.015,68.905 S217.2@-52.965,68.905 ; S204.2@-68.84,90.495 -68.84,81.073 ccw(c-66.3,81.073) -66.303,78.533 ccw(c-66.3,81.073) -66.3,78.533 -56.71,78.533 ccw(c-56.71,78.787) -56.461,78.837 cw(c-55.65,79) -54.844,79.184 ccw(c-54.596,79.241) -54.596,78.987 -40,78.987 cw(c-40,75.89) -38.513,73.173 ccw(c-38.39,72.951) -38.638,73.003 ccw(c-38.067,72.887) -38.65,72.887 -38.65,71.45 ; S260.2@-64.077,14.295 -66.508,16.726 cw(c-64.712,18.522) -67.252,18.522 S246.2@-67.252,30.805 -67.252,32.607 cw(c-64.712,32.607) -64.712,35.147 -40,35.147 ccw(c-40,37.79) -40,40.433 -51.2,40.433 -55.187,40.433 cw(c-55.187,42.973) -57.727,42.973 S231.2@-57.727,49.855 -53.709,53.874 ccw(c-55.505,55.67) -52.965,55.67 S217.2@-52.965,68.905 ; -41.859,71.349 cw(c-40.265,71.445) -41.862,71.44 ; -38.672,71.334 cw(c-40.265,71.445) -41.862,71.44 ; -38.512,73.174 ccw(c-40,75.89) -38.067,73.471 ; S217.2@-52.965,68.905 -52.965,70.253 cw(c-50.425,70.253) -50.425,72.793 -43.303,72.793 cw(c-43.303,71.349) -41.862,71.44
col4: S205.2 S219.2 S232.2 S233.2 S247.2 U301.10 | length 331
  Component Side w0.254: U301.10@-153.034,17.143 -152.259,17.143 ccw(c-152.259,19.683) -150.463,17.887 -147.95,20.4 -147.848,20.502 ccw(c-148.492,21.143) -147.798,20.557 cw(c-144.11,17.469) -147.431,20.949 cw(c-144.11,17.469) -145.859,21.95 cw(c-144.11,17.469) -144.147,22.279 cw(c-144.125,20.463) -144.125,22.279 -87.658,22.279 ccw(c-87.658,24.058) v1(-86.4,22.8)
  Bottom Layer w0.254: v1(-86.4,22.8) -86.4,30.707 S247.2@-86.302,30.805 -86.302,33.061 cw(c-83.762,33.061) -83.762,35.601 -40,35.601 ccw(c-40,37.79) -40,39.979 -71.4,39.979 -74.237,39.979 cw(c-74.237,42.519) -74.239,39.979 cw(c-74.237,42.519) -76.777,42.519 S232.2@-76.777,49.855 S233.2@-95.827,49.855 -91.809,53.874 ccw(c-93.605,55.67) -91.065,55.67 S219.2@-91.065,68.905 -91.065,71.161 cw(c-88.525,71.161) -88.525,73.701 -40,73.701 ccw(c-40,75.89) -40,78.079 -79,78.079 cw(c-79,80.619) -81.54,80.619 S205.2@-81.54,87.955
col5: S206.2 S207.2 S220.2 S234.2 S248.2 S262.2 U301.11 | length 484.5
  Component Side w0.254: U301.11@-152.6,18.243 -151.848,18.243 ccw(c-151.848,20.783) -150.052,18.987 cw(c-149.871,18.808) -150.043,18.996 -149.545,19.45 ccw(c-150.994,21.038) -149.473,19.519 -148.171,20.822 ccw(c-148.492,21.143) -148.145,20.85 cw(c-144.11,17.469) -147.726,21.295 ccw(c-148.21,21.811) -147.723,21.297 ccw(c-148.21,21.811) -147.656,21.37 -147.608,21.43 cw(c-147.409,21.273) -147.573,21.467 cw(c-144.125,17.405) -145.99,22.396 cw(c-144.125,17.405) -144.493,22.72 -144.328,22.732 ; -144.327,22.732 cw(c-144.294,22.279) -144.294,22.733 -106.067,22.733 ccw(c-106.067,23.45) -105.35,23.45 -105.4,23.4 v1(-105.4,23.2)
  Bottom Layer w0.254: S262.2@-145.039,14.295 -138.297,14.295 cw(c-138.297,11.755) -136.501,13.551 -135.449,12.499 ccw(c-133.653,14.295) -133.653,11.755 S262.2@-126.783,11.755 -123.69,11.755 ccw(c-123.69,14.295) -121.15,14.295 -121.15,28.265 cw(c-118.61,28.265) -118.61,30.805 S248.2@-105.352,30.805 ; S207.2@-125.99,90.495 S206.2@-106.94,90.495 -106.94,80.165 ccw(c-104.4,80.165) -104.4,77.625 -40,77.625 cw(c-40,75.89) -40,74.155 -114.16,74.155 ccw(c-114.16,72.069) -116.038,72.977 cw(c-116.676,73.284) -116.334,72.664 ccw(c-116.212,72.441) -116.465,72.46 S220.2@-116.465,71.445 -116.465,58.21 cw(c-119.005,58.21) -117.209,56.414 S234.2@-121.227,52.395 -121.227,42.065 ccw(c-118.687,42.065) -118.687,39.525 -40,39.525 cw(c-40,37.79) -40,36.055 -102.812,36.055 ccw(c-102.812,33.515) -105.352,33.515 S248.2@-105.352,30.805 ; v1@-105.352,23.426 S248.2@-105.352,30.805
col6: S208.2 S221.2 S235.2 S249.2 S250.2 U301.12 | length 454.8
  Component Side w0.254: U301.12@-153.034,19.343 -150.994,19.343 ccw(c-150.994,21.038) -149.795,19.84 -148.492,21.143 cw(c-144.11,17.469) -148.129,21.537 cw(c-144.11,17.469) -148.128,21.538 cw(c-144.11,17.469) -148.036,21.626 ccw(c-148.21,21.811) -148.011,21.653 -147.964,21.713 cw(c-147.409,21.273) -147.866,21.814 cw(c-144.125,17.405) -147.022,22.409 cw(c-144.125,17.405) -145.73,22.96 -145.728,22.96 cw(c-144.125,17.405) -144.525,23.173 -144.359,23.185 cw(c-144.294,22.279) -144.294,23.187 -125.497,23.187 ccw(c-125.497,23.441) -125.45,23.191 -125.407,23.2 ccw(c-125.54,23.895) -125.25,23.249 v1(-124.505,23.584)
  Bottom Layer w0.254: S208.2@-145.04,90.495 -145.04,79.711 cw(c-147.58,79.711) -147.58,77.171 -214,77.171 ccw(c-214,75.89) -214,74.609 -131.705,74.609 cw(c-131.705,72.069) -129.165,72.069 S221.2@-129.165,68.905 -129.165,55.67 cw(c-131.705,55.67) -129.909,53.874 S235.2@-133.927,49.855 -133.927,41.611 ccw(c-131.387,41.611) -131.387,39.071 -40,39.071 cw(c-40,37.79) -40,36.509 -121.862,36.509 ccw(c-121.862,33.969) -124.402,33.969 S249.2@-124.402,30.805 v1@-124.402,23.584 ; S250.2@-143.452,30.805 -143.452,25.908 ccw(c-140.912,25.908) -140.912,23.368 -124.756,23.368 ccw(c-124.756,23.622) v1(-124.505,23.584)